# KiCad board access-controller.kicad_pcb (continued)
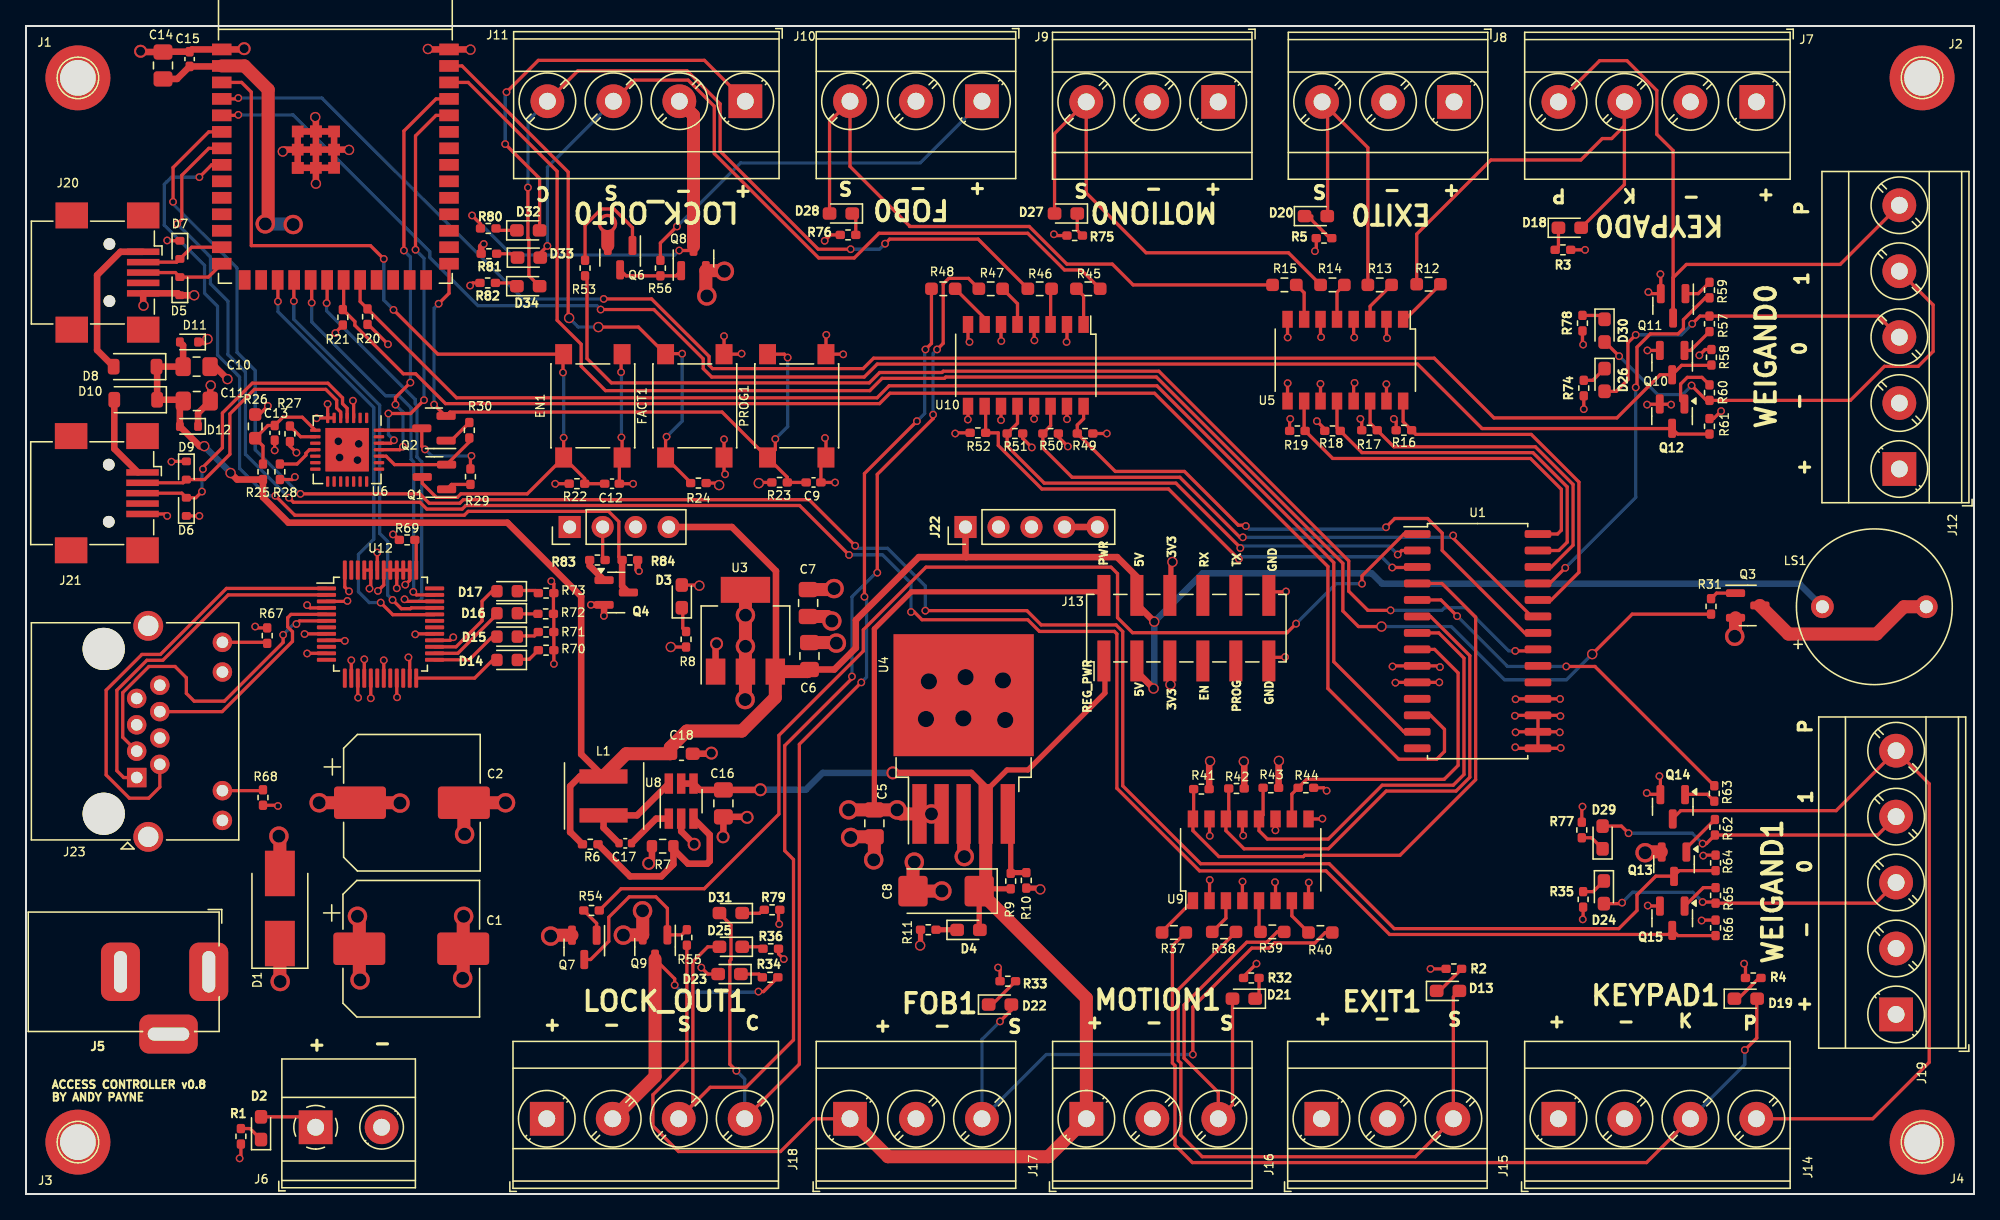
[diagram p0: board, top side]
## Footprints (pads in the part's own frame, mm; a bottom-side part is the same pattern mirrored in y, then rotated)
BarrelJack_OD5.5_ID2.5
  rrect 3x4.5 hole 1x3.2: 1(0.1,0) 2(-6.7,0)
  rrect 4.5x3 hole 3.2x1: 3(-3,-4.8)
C_0402_1005Metric
  rrect 0.56x0.62 smd: 1(-0.48,0) 2(0.48,0)
C_0402_1005Metric_Pad0.74x0.62mm_HandSolder
  rrect 0.735x0.62 smd: 1(-0.568,0) 2(0.568,0)
C_0603_1608Metric_Pad1.08x0.95mm_HandSolder
  rrect 1.075x0.95 smd: 1(-0.863,0) 2(0.863,0)
C_0805_2012Metric_Pad1.18x1.45mm_HandSolder
  rrect 1.175x1.45 smd: 1(-1.038,0) 2(1.038,0)
CP_EIA-6032-15_Kemet-U_Pad2.25x2.35mm_HandSolder
  rrect 2.25x2.35 smd: 1(-2.55,0) 2(2.55,0)
CP_Elec_10x10
  rrect 4x2.5 smd: 1(-4,0) 2(4,0)
D_SMB_Handsoldering
  rect 3.5x2.3 smd: 1(-2.7,0) 2(2.7,0)
D_SOD-123
  rrect 0.9x1.2 smd: 1(-1.65,0) 2(1.65,0)
D_SOD-523
  rrect 0.6x0.7 smd: 1(-0.7,0) 2(0.7,0)
ESP32-S3-WROOM-1
  rect 1.5x0.9 smd: 1(-8.75,8.26) 2(-8.75,6.99) 3(-8.75,5.72) 4(-8.75,4.45) 5(-8.75,3.18) 6(-8.75,1.91) 7(-8.75,0.64) 8(-8.75,-0.63) 9(-8.75,-1.9) 10(-8.75,-3.17) 11(-8.75,-4.44) 12(-8.75,-5.71) 13(-8.75,-6.98) 14(-8.75,-8.25) 27(8.75,-8.25) 28(8.75,-6.98) 29(8.75,-5.71) 30(8.75,-4.44) 31(8.75,-3.17) 32(8.75,-1.9) 33(8.75,-0.63) 34(8.75,0.64) 35(8.75,1.91) 36(8.75,3.18) 37(8.75,4.45) 38(8.75,5.72) 39(8.75,6.99) 40(8.75,8.26)
  rect 0.9x1.5 smd: 15(-6.985,-9.5) 16(-5.715,-9.5) 17(-4.445,-9.5) 18(-3.175,-9.5) 19(-1.905,-9.5) 20(-0.635,-9.5) 21(0.635,-9.5) 22(1.905,-9.5) 23(3.175,-9.5) 24(4.445,-9.5) 25(5.715,-9.5) 26(6.985,-9.5)
  rect 0.9x0.9 smd: 41(-2.9,1.94) 41(-2.9,0.54) 41(-2.9,-0.86) 41(-2.9,-0.86) 41(-1.5,1.94) 41(-1.5,1.94) 41(-1.5,0.54) 41(-1.5,-0.86) 41(-0.1,1.94) 41(-0.1,0.54) 41(-0.1,-0.86)
L_4x4
  rect 1.1x3.7 smd: 1(-1.5,-0.01) 2(1.5,0)
LED_0603_1608Metric
  rrect 0.875x0.95 smd: 1(-0.787,0) 2(0.787,0)
LED_0603_1608Metric_Pad1.05x0.95mm_HandSolder
  rrect 1.05x0.95 smd: 1(-0.875,0) 2(0.875,0)
LQFP-48_7x7mm_P0.5mm
  rrect 1.475x0.3 smd: 1(-4.162,2.75) 2(-4.162,2.25) 3(-4.162,1.75) 4(-4.162,1.25) 5(-4.162,0.75) 6(-4.162,0.25) 7(-4.162,-0.25) 8(-4.162,-0.75) 9(-4.162,-1.25) 10(-4.162,-1.75) 11(-4.162,-2.25) 12(-4.162,-2.75) 25(4.162,-2.75) 26(4.162,-2.25) 27(4.162,-1.75) 28(4.162,-1.25) 29(4.162,-0.75) 30(4.162,-0.25) 31(4.162,0.25) 32(4.162,0.75) 33(4.162,1.25) 34(4.162,1.75) 35(4.162,2.25) 36(4.162,2.75)
  rrect 0.3x1.475 smd: 13(-2.75,-4.162) 14(-2.25,-4.162) 15(-1.75,-4.162) 16(-1.25,-4.162) 17(-0.75,-4.162) 18(-0.25,-4.162) 19(0.25,-4.162) 20(0.75,-4.162) 21(1.25,-4.162) 22(1.75,-4.162) 23(2.25,-4.162) 24(2.75,-4.162) 37(2.75,4.162) 38(2.25,4.162) 39(1.75,4.162) 40(1.25,4.162) 41(0.75,4.162) 42(0.25,4.162) 43(-0.25,4.162) 44(-0.75,4.162) 45(-1.25,4.162) 46(-1.75,4.162) 47(-2.25,4.162) 48(-2.75,4.162)
Mount_Hole
  round 5 hole 2.75: 1(0,0)
PinHeader_2x06_P2.54mm_Vertical_SMD
  rect 3.15x1 smd: 1(-2.525,6.35) 2(2.525,6.35) 3(-2.525,3.81) 4(2.525,3.81) 5(-2.525,1.27) 6(2.525,1.27) 7(-2.525,-1.27) 8(2.525,-1.27) 9(-2.525,-3.81) 10(2.525,-3.81) 11(-2.525,-6.35) 12(2.525,-6.35)
QFN-28-1EP_5x5mm_P0.5mm_EP3.35x3.35mm
  rrect 0.9x0.9 smd: (-1.12,1.12) (-1.12,0) (-1.12,-1.12) (0,1.12) (0,0) (0,-1.12) (1.12,1.12) (1.12,0) (1.12,-1.12)
  rrect 0.8x0.25 smd: 1(-2.45,1.5) 2(-2.45,1) 3(-2.45,0.5) 4(-2.45,0) 5(-2.45,-0.5) 6(-2.45,-1) 7(-2.45,-1.5) 15(2.45,-1.5) 16(2.45,-1) 17(2.45,-0.5) 18(2.45,0) 19(2.45,0.5) 20(2.45,1) 21(2.45,1.5)
  rrect 0.25x0.8 smd: 8(-1.5,-2.45) 9(-1,-2.45) 10(-0.5,-2.45) 11(0,-2.45) 12(0.5,-2.45) 13(1,-2.45) 14(1.5,-2.45) 22(1.5,2.45) 23(1,2.45) 24(0.5,2.45) 25(0,2.45) 26(-0.5,2.45) 27(-1,2.45) 28(-1.5,2.45)
  rect 3.35x3.35 smd: 29(0,0)
R_0402_1005Metric_Pad0.72x0.64mm_HandSolder
  rrect 0.715x0.64 smd: 1(-0.598,0) 2(0.598,0)
R_0603_1608Metric
  rrect 0.8x0.95 smd: 1(-0.825,0) 2(0.825,0)
R_0603_1608Metric_Pad0.98x0.95mm_HandSolder
  rrect 0.975x0.95 smd: 1(-0.912,0) 2(0.912,0)
RJ45_Amphenol_RJHSE538X
  round 3.25 hole 3.25 unplated: (-2.79,2.54) (9.91,2.54)
  rect 1.5x1.5 hole 0.89: 1(0,0)
  round 1.5 hole 0.89: 2(1.016,-1.78) 3(2.032,0) 4(3.048,-1.78) 5(4.064,0) 6(5.08,-1.78) 7(6.096,0) 8(7.112,-1.78) 9(-3.3,-6.6) 10(-1.01,-6.6) 11(8.13,-6.6) 12(10.42,-6.6)
  round 2.3 hole 1.57: SH(-4.57,-0.89) SH(11.69,-0.89)
RXB6_RF_MODULE
  rect 1.7x1.7 hole 1: 1(-19.311,0.254) 5(11.169,0.254)
  oval 1.7x1.7 hole 1: 2(-16.771,0.254) 3(-14.231,0.254) 4(-11.691,0.254) 6(13.709,0.254) 7(16.249,0.254) 8(18.789,0.254) 9(21.329,0.254)
S_YXDZ
  round 1.75 hole 1: 1(0,4) 2(0,-4)
SOIC-28W_7.5x17.9mm_P1.27mm
  rrect 2.05x0.6 smd: 1(-4.65,8.255) 2(-4.65,6.985) 3(-4.65,5.715) 4(-4.65,4.445) 5(-4.65,3.175) 6(-4.65,1.905) 7(-4.65,0.635) 8(-4.65,-0.635) 9(-4.65,-1.905) 10(-4.65,-3.175) 11(-4.65,-4.445) 12(-4.65,-5.715) 13(-4.65,-6.985) 14(-4.65,-8.255) 15(4.65,-8.255) 16(4.65,-6.985) 17(4.65,-5.715) 18(4.65,-4.445) 19(4.65,-3.175) 20(4.65,-1.905) 21(4.65,-0.635) 22(4.65,0.635) 23(4.65,1.905) 24(4.65,3.175) 25(4.65,4.445) 26(4.65,5.715) 27(4.65,6.985) 28(4.65,8.255)
SOP-16_4.4x10.4mm_P1.27mm
  rect 1.3x0.8 smd: 1(-3.15,4.45) 2(-3.15,3.17) 3(-3.15,1.91) 4(-3.15,0.64) 5(-3.15,-0.64) 6(-3.15,-1.91) 7(-3.15,-3.17) 8(-3.15,-4.45) 9(3.15,-4.45) 10(3.15,-3.17) 11(3.15,-1.91) 12(3.15,-0.64) 13(3.15,0.64) 14(3.15,1.91) 15(3.15,3.17) 16(3.15,4.45)
SOT-23
  rrect 1.475x0.6 smd: 1(-0.938,0.95) 2(-0.938,-0.95) 3(0.938,0)
SOT-23-6_Handsoldering
  rect 1.56x0.65 smd: 1(-1.35,0.95) 2(-1.35,0) 3(-1.35,-0.95) 4(1.35,-0.95) 5(1.35,0) 6(1.35,0.95)
SOT-223-3_TabPin2
  rect 2x1.5 smd: 1(-3.15,2.3) 2(-3.15,0) 3(-3.15,-2.3)
  rect 2x3.8 smd: 2(3.15,0)
SW_SPST_PTS645
  rect 1.55x1.3 smd: 1(-3.98,2.25) 1(3.98,2.25) 2(-3.98,-2.25) 2(3.98,-2.25)
TerminalBlock_Phoenix_MKDS-1,5-2-5.08_1x02_P5.08mm_Horizontal
  rect 2.6x2.6 hole 1.3: 1(0,0)
  round 2.6 hole 1.3: 2(5.08,0)
TerminalBlock_Phoenix_MKDS-3-3-5.08_1x03_P5.08mm_Horizontal
  rect 2.6x2.6 hole 1.3: 1(0,0)
  round 2.6 hole 1.3: 2(5.08,0) 3(10.16,0)
TerminalBlock_Phoenix_MKDS-3-4-5.08_1x04_P5.08mm_Horizontal
  rect 2.6x2.6 hole 1.3: 1(0,0)
  round 2.6 hole 1.3: 2(5.08,0) 3(10.16,0) 4(15.24,0)
TerminalBlock_Phoenix_MKDS-3-5-5.08_1x05_P5.08mm_Horizontal
  rect 2.6x2.6 hole 1.3: 1(0,0)
  round 2.6 hole 1.3: 2(5.08,0) 3(10.16,0) 4(15.24,0) 5(20.32,0)
TO-263-5_TabPin3
  rect 4.55x5.25 smd: (0.95,2.775) (0.95,-2.775) (5.8,2.775) (5.8,-2.775)
  rect 4.6x1.1 smd: 1(-5.775,3.4) 2(-5.775,1.7) 3(-5.775,0) 4(-5.775,-1.7) 5(-5.775,-3.4)
  rect 9.4x10.8 smd: 3(3.375,0)
USB_Mini-B_Wuerth_65100516121_Horizontal
  round 0.9 hole 0.9 unplated: (-2.2,0) (2.2,0)
  rect 0.5x2.5 smd: 1(-1.6,2.6) 2(-0.8,2.6) 3(0,2.6) 4(0.8,2.6) 5(1.6,2.6)
  rect 2x2.5 smd: 6(-4.4,2.6) 6(-4.4,-2.9) 6(4.4,2.6) 6(4.4,-2.9)

## Nets
/3V3: C7.1 C14.1 C15.1 D3.2 J13.5 J13.6 R16.1 R17.1 R18.1 R19.1 R20.1 R21.2 R22.1 R23.1 R24.1 R27.1 R41.1 R42.1 R43.1 R44.1 R49.1 R50.1 R51.1 R52.1 R58.2 R61.2 R64.2 R66.2 R67.2 R69.2 R84.1 U1.9 U1.18 U3.2 U6.6 U6.7 U7.2 U12.4 U12.8 U12.11 U12.15 U12.17 U12.21 U12.28 U12.43
/5V: C6.1 C10.1 C11.1 C18.1 D8.1 D10.1 D11.2 D12.2 J13.3 J13.4 J22.4 J22.5 L1.2 LS1.1 R6.1 R25.2 U3.3
GND: C1.2 C2.2 C5.2 C6.2 C7.2 C8.2 C9.2 C10.2 C11.2 C12.2 C13.2 C14.2 C15.2 C16.2 C18.2 D1.2 D5.1 D6.1 D7.1 D9.1 D11.1 D12.1 EN1.2 FACT1.2 J1.1 J2.1 J3.1 J4.1 J5.2 J5.3 J6.2 J7.2 J8.2 J9.2 J10.2 J12.2 J13.11 J13.12 J14.2 J15.2 J16.2 J17.2 J19.2 J20.5 J21.5 J22.1 J22.6 J22.7 J23.7 J23.8 J23.9 J23.11 PROG1.2 Q3.2 Q4.2 Q6.2 Q7.2 Q8.2 Q9.2 Q10.2 Q11.2 Q12.2 Q13.2 Q14.2 Q15.2 R1.1 R2.1 R3.1 R4.1 R5.1 R7.2 R8.1 R10.2 R11.1 R26.1 R28.2 R32.1 R33.1 R35.1 R36.1 R70.2 R71.2 R72.2 R73.2 R74.1 R75.1 R76.1 R77.1 R78.1 R79.1 R81.1 R82.1 U1.10 U1.15 U1.16 U1.17 U3.1 U4.3 U5.2 U5.4 U5.6 U5.8 U5.9 U5.11 U5.13 U5.15 U6.3 U6.29 U7.1 U7.40 U7.41 U8.2 U9.2 U9.4 U9.6 U9.8 U9.9 U9.11 U9.13 U9.15 U10.2 U10.4 U10.6 U10.8 U10.9 U10.11 U10.13 U10.15 U12.3 U12.9 U12.14 U12.16 U12.19 U12.23 U12.29 U12.38 U12.39 U12.40 U12.41 U12.42 U12.44 U12.45 U12.48
/ANTENNA: J22.8 J22.9
/BUZZER: R31.1 U7.38
/CS: U7.17 U12.32
/DATA: J22.2 R83.2
/DATA_IO: Q4.3 R84.2 U7.8
/ESP_EN: J13.7
/Ethernet/RX_N: J23.6 U12.5
/Ethernet/RX_P: J23.3 U12.6
/Ethernet/TX_N: J23.2 U12.1
/Ethernet/TX_P: J23.1 U12.2
/EXIT0: D20.2 J8.3 R13.2
/EXIT0_SENSE: R17.2 U1.26 U5.14
/EXIT1: D13.2 J15.3 R38.2
/EXIT1_SENSE: R42.2 U1.6 U9.14
/FOB0: D28.2 J10.3 R15.2
/FOB0_SENSE: R19.2 U1.28 U5.10
/FOB1: D22.2 J17.3 R40.2
/FOB1_SENSE: R44.2 U1.8 U9.10
/INTA: U1.19
/INTB: U1.20
/KEYPAD0: D18.2 J7.3 R12.2
/KEYPAD0_SENSE: R16.2 U1.24 U5.16
/KEYPAD1: D19.2 J14.3 R37.2
/KEYPAD1_SENSE: R41.2 U1.4 U9.16
/LOCK0_CLOSE: D34.2 J11.4 R46.2
/LOCK0_CLOSE_IO: R50.2 U1.23 U10.14
/LOCK0_CONTROL: R53.2 U1.21
/LOCK0_OUT: J11.2 Q8.3 R80.1
/LOCK0_SENSE: R49.2 U1.22 U10.16
/LOCK0_STATE: D33.2 J11.3 R45.2
/LOCK1_CLOSE: D31.2 J18.4 R48.2
/LOCK1_CLOSE_IO: R52.2 U1.3 U10.10
/LOCK1_CONTROL: R54.2 U1.1
/LOCK1_OUT: J18.2 Q9.3 R34.1
/LOCK1_SENSE: R51.2 U1.2 U10.12
/LOCK1_STATE: D25.2 J18.3 R47.2
/Microcontroller/D+: D6.2 J21.3 U6.4
/Microcontroller/D-: D9.2 J21.2 U6.5
/Microcontroller/DTR: Q2.3 R29.1 U6.28
/Microcontroller/EN: C12.1 EN1.1 Q1.3 R22.2 U7.3
/Microcontroller/FACT: FACT1.1 R24.2 U7.39
/Microcontroller/IO3: U7.15
/Microcontroller/IO8: U7.12
/Microcontroller/IO16: U7.9
/Microcontroller/IO17: U7.10
/Microcontroller/IO18: U7.11
/Microcontroller/IO19: D7.2 J20.2 U7.13
/Microcontroller/IO20: D5.2 J20.3 U7.14
/Microcontroller/IO21: U7.23
/Microcontroller/IO35: U7.28
/Microcontroller/IO36: U7.29
/Microcontroller/IO37: U7.30
/Microcontroller/IO38: U7.31
/Microcontroller/IO39: U7.32
/Microcontroller/IO40: U7.33
/Microcontroller/IO41: U7.34
/Microcontroller/IO42: U7.35
/Microcontroller/IO43: U6.25 U7.37
/Microcontroller/IO44: U6.26 U7.36
/Microcontroller/IO45: U7.26
/Microcontroller/IO46: U7.16
/Microcontroller/IO47: U7.24
/Microcontroller/IO48: U7.25
/Microcontroller/PROG: C9.1 PROG1.1 Q2.2 R23.2 U7.27
/Microcontroller/RTS: Q1.2 R30.1 U6.24
/MISO: U7.20 U12.34
/MOSI: U7.19 U12.35
/MOTION0: D27.2 J9.3 R14.2
/MOTION0_SENSE: R18.2 U1.27 U5.12
/MOTION1: D21.2 J16.3 R39.2
/MOTION1_SENSE: R43.2 U1.7 U9.12
/POWER: C1.1 C2.1 C5.1 D1.1 D2.2 D23.2 D32.2 J5.1 J6.1 J11.1 J13.2 J18.1 J23.4 J23.5 R68.2 U4.1 U4.2
/PROG: J13.9
/PUSH0: J7.4 J12.5 Q11.3
/PUSH0_IO: R59.1 U1.25
/PUSH1: J14.4 J19.5 Q14.3
/PUSH1_IO: R63.1 U1.5
/REG_POWER: C8.1 C16.1 D4.2 J7.1 J8.1 J9.1 J10.1 J12.1 J13.1 J14.1 J15.1 J16.1 J17.1 J19.1 R9.1 R55.2 R56.2 U4.4 U8.4 U8.5
/RXD: J13.8
/SCL: R21.1 U1.12 U7.21
/SCLK: U7.18 U12.33
/SDA: R20.2 U1.13 U7.22
/TXD: J13.10
/WG0_DATA0: D26.2 J12.3 R57.2
/WG0_DATA1: D30.2 J12.4 R60.2
/WG0_DATA_SENSE0: Q10.3 R58.1 U7.4
/WG0_DATA_SENSE1: Q12.3 R61.1 U7.5
/WG1_DATA0: D24.2 J19.3 R65.2
/WG1_DATA1: D29.2 J19.4 R62.2
/WG1_DATA_SENSE0: Q13.3 R64.1 U7.6
/WG1_DATA_SENSE1: Q15.3 R66.1 U7.7
Net-(D2-K): D2.1 R1.2
Net-(D3-K): D3.1 R8.2
Net-(D4-K): D4.1 R11.2
Net-(D8-A): D8.2 J20.1
Net-(D10-A): D10.2 J21.1
Net-(D13-K): D13.1 R2.2
Net-(D14-A): D14.2 U12.24
Net-(D14-K): D14.1 R70.1
Net-(D15-A): D15.2 U12.25
Net-(D15-K): D15.1 R71.1
Net-(D16-A): D16.2 U12.26
Net-(D16-K): D16.1 R72.1
Net-(D17-A): D17.2 U12.27
Net-(D17-K): D17.1 R73.1
Net-(D18-K): D18.1 R3.2
Net-(D19-K): D19.1 R4.2
Net-(D20-K): D20.1 R5.2
Net-(D21-K): D21.1 R32.2
Net-(D22-K): D22.1 R33.2
Net-(D23-K): D23.1 R34.2
Net-(D24-K): D24.1 R35.2
Net-(D25-K): D25.1 R36.2
Net-(D26-K): D26.1 R74.2
Net-(D27-K): D27.1 R75.2
Net-(D28-K): D28.1 R76.2
Net-(D29-K): D29.1 R77.2
Net-(D30-K): D30.1 R78.2
Net-(D31-K): D31.1 R79.2
Net-(D32-K): D32.1 R80.2
Net-(D33-K): D33.1 R81.2
Net-(D34-K): D34.1 R82.2
Net-(J23-Pad10): J23.10 R68.1
Net-(J23-Pad12): J23.12 R67.1
Net-(Q1-B): Q1.1 R29.2
Net-(Q2-B): Q2.1 R30.2
Net-(Q3-B): Q3.1 R31.2
Net-(Q3-C): LS1.2 Q3.3
Net-(Q4-B): Q4.1 R83.1
Net-(Q6-B): Q6.1 R53.1
Net-(Q6-C): Q6.3 Q8.1 R56.1
Net-(Q7-B): Q7.1 R54.1
Net-(Q7-C): Q7.3 Q9.1 R55.1
Net-(Q10-B): Q10.1 R57.1
Net-(Q11-B): Q11.1 R59.2
Net-(Q12-B): Q12.1 R60.1
Net-(Q13-B): Q13.1 R62.1
Net-(Q14-B): Q14.1 R63.2
Net-(Q15-B): Q15.1 R65.1
Net-(R12-Pad1): R12.1 U5.1
Net-(R13-Pad1): R13.1 U5.3
Net-(R14-Pad1): R14.1 U5.5
Net-(R15-Pad1): R15.1 U5.7
Net-(R37-Pad1): R37.1 U9.1
Net-(R38-Pad1): R38.1 U9.3
Net-(R39-Pad1): R39.1 U9.5
Net-(R40-Pad1): R40.1 U9.7
Net-(R45-Pad1): R45.1 U10.1
Net-(R46-Pad1): R46.1 U10.3
Net-(R47-Pad1): R47.1 U10.5
Net-(R48-Pad1): R48.1 U10.7
Net-(U4-Feedback): R9.2 R10.1 U4.5
Net-(U6-VBUS): C13.1 R25.1 R26.2 U6.8
Net-(U6-~{RST}): R27.2 U6.9
Net-(U6-~{SUSPEND}): R28.1 U6.11
Net-(U8-BS): C17.1 U8.1
Net-(U8-FB): R6.2 R7.1 U8.3
Net-(U8-SW): C17.2 L1.1 U8.6
Net-(U12-~{RST}): R69.1 U12.37

Pads without a net: J20 4 6; J21 4 6; J22 3; J23 SH; U1 11 14; U6 1 2 10 12 13 14 15 16 17 18 19 20 21 22 23 27; U12 7 10 12 13 18 20 22 30 31 36 46 47

## Via types
v1: diameter 1.5, hole 1, Top to Bottom, 34 vias
v2: diameter 0.6, hole 0.4, Top to Bottom, 223 vias
v3: diameter 0.8, hole 0.6, Top to Bottom, 34 vias
v4: diameter 1, hole 0.7, Top to Bottom, 10 vias
v5: diameter 2.5, hole 1.25, Top to Bottom, 6 vias

## Routing (per net, layer and track width the routed paths; a pad name or vN(x,y) marks a point on that pad's centre or on a via; arc(x,y) is an arc through that point)
/3V3: length 89.9
  Top w0.25: v2(17.65,43.72) 17.75,43.62 R67.2 ; U12.28 32.66,42.66 v2(32.9,42.9) ; v2(28.26,50.82) 28.33,50.82 R69.2 ; v2(114.7,38.12) 114.73,38.16 U1.18 118.12,38.16 v2(118.12,38.15) ; v2(128.85,64.62) 129.3,65.07 R58.2 ; v2(80.22,57.6) 79.5,58.33 R50.1 ; R16.1 105.5,59.55 v2(105.33,59.72) ; U12.17 v2(26.55,38.2) ; v2(105.22,40.65) 105.27,40.69 U1.9 108.78,40.69 v2(108.88,40.6) ; v2(77.45,57.52) 76.75,58.23 R51.1 ; v2(129.03,21.07) 129.06,21.11 R66.2 ; 21.86,45.16 v2(21.65,45.38) ; R61.2 129.95,59.75 v2(130.53,60.32) ; v2(23.23,60.88) 23.23,60.87 U6.7 ; v2(25.58,38.25) 25.55,38.27 U12.15 ; v2(20.83,57.12) 20.33,57.62 R27.1 ; R24.1 53.22,54.78 v3(53.38,54.62) ; v2(23.83,66.34) 23.83,66.38 R21.2 ; v2(21.45,43.15) 21.46,43.16 U12.8 ; R44.1 99.93,31.3 v2(100.15,31.07) ; R23.1 56.48,54.83 v3(56.43,54.77) ; R17.1 102.85,59.62 v2(102.75,59.72) ; U12.11 21.66,41.66 v2(21.65,41.65) ; U6.7 22.4,59.8 v2(22.38,59.77) ; U6.7 U6.6 ; v2(28.58,38.27) 28.55,38.3 U12.21 ; 50.57,46.92 51.8,46.92 v3(51.85,46.88) ; 26.35,67 v2(27.88,65.47) ; R49.1 v2(83.22,58.6) ; v2(40.75,54.72) 40.76,54.73 R22.1 ; R19.1 97.3,59.67 v2(97.35,59.72) ; R52.1 71.6,58.65 v2(71.55,58.6) ; U12.43 v2(27.05,49.42) ; v2(129.15,26.07) 129.19,26.11 R64.2 ; U12.4 21.92,45.16 ; 100,58.94 v2(99.4,59.55)
  Top w0.4: 88.16,46.4 88.16,48.58 v3(88.28,48.7) ; 88.16,41.35 88.16,39.28 v3(88.12,39.25)
  Top w0.5: v3(91.18,33.35) 91.11,33.28 91.11,31.2 ; R43.1 96.45,33.35 v3(96.47,33.38) ; v2(47.2,48) 47.1,48.1 R84.1 ; C14.1 11.64,85.92 C15.1 15.04,86.88 ; R42.1 93.81,33.29 v3(93.78,33.32)
  Top w1: U7.2 16.83,86.92 18.65,85.09 18.65,74.97 v1(18.43,74.75) ; U3.2 v1(55.4,44.6) v1(55.4,42.2) U3.2 55.4,38.12 v1(55.38,38.1) ; C7.1 62.15,46.57 v1(62.22,46.65)
  Bottom w1: v1(18.43,74.75) 20.53,74.75 v1(20.58,74.7)
/5V: length 203.7
  Top w0.5: D11.2 12.1,65.4 C10.1 D8.1 ; 85.62,40.16 v3(86.83,38.95) ; 85.62,45.35 v3(86.88,44.1) ; C6.1 62.24,40.41 63.9,42.07 63.9,44.22 68.75,49.07 72.4,49.07 ; J22.4 54.36,51.39 57.75,48 57.75,40.3 U3.3 ; 10.1,63.7 D10.1 12.01,61.2 ; 11.85,60.84 D12.2 13.38,57.62 v3(13.73,57.62) ; v3(15.76,55.55) 16.26,55.05 R25.2 18.25,53.69 20.21,51.72 37.08,51.72 42.75,46.05 42.75,33.89 L1.2 42.65,32.17 41.9,31.42 41.9,27.88 41.93,27.88 R6.1 ; 85.62,47.47 84.02,49.07 72.4,49.07 ; 72.4,49.07 72.34,49.13 J22.5
  Top w1: C6.1 60.17,40.25 U3.3 57.7,38.25 55.12,35.67 50.89,35.67 49.61,34.4 C18.1 46.22,33.92 L1.2
  Bottom w0.5: v3(86.83,38.95) 86.88,39 v3(86.88,44.1) 90.6,47.82 103.62,47.82 104.43,47.02 136.55,47.02 LS1.1 ; v3(15.76,55.55) 15.76,55.59 v3(13.73,57.62)
GND: length 238.9
  Top w0.25: v2(40.45,47.22) 40.65,47.02 40.65,46.3 ; 40.65,43.3 40.65,40.85 v2(40.65,40.85) ; U1.15 118.15,34.34 v2(118.18,34.38) ; U1.15 114.75,34.34 v2(114.68,34.42) ; U1.15 U1.16 ; v2(58.35,18.1) 57.94,18.5 R36.1 ; v2(124.85,65) 124.85,65 Q10.2 ; v2(29.45,41.35) 29.55,41.25 U12.23 ; R1.1 16.55,2.85 v2(16.45,2.75) ; v2(10.88,52.25) 10.73,52.4 J21.5 ; U5.13 102.23,62.43 v2(102.3,62.5) ; v2(45.83,63.32) 45.83,64.63 ; U10.4 77.63,65.8 v2(77.65,65.77) ; U5.9 97.14,62.46 v2(97.15,62.47) ; 45.69,56.54 C12.2 46.75,54.73 v2(46.75,54.72) ; v2(93.72,27.62) 93.66,27.68 U9.13 ; 17.96,60.06 v2(18.62,60.72) ; v2(124.88,22.22) 124.9,22.2 125.84,22.2 ; v2(119.85,29.85) 119.8,29.8 R77.1 ; v2(24.55,42.62) 24.51,42.66 U12.9 ; EN1.2 45.9,58.25 v2(45.85,58.3) ; U5.11 99.68,62.42 v2(99.68,62.42) ; U1.16 U1.17 ; U1.16 114.74,35.61 v2(114.7,35.57) ; U1.16 118.06,35.61 v2(118.1,35.57) ; U1.17 118.09,36.88 v2(118.15,36.82) ; U1.17 114.69,36.88 v2(114.65,36.85) ; v2(119.9,65.45) 119.85,65.5 119.85,66.5 ; U12.3 24.71,45.66 v2(24.75,45.7) ; U12.40 U12.39 U12.38 29.55,47.29 v2(29.21,46.95) ; U12.40 U12.41 U12.42 27.55,46.92 v2(27.1,46.47) ; U12.40 v2(28.55,46.67) ; R33.1 75,17.3 v2(74.85,17.45) ; v2(61.5,73.45) 61.95,73.9 R76.1 ; v2(96.21,28.02) 96.22,28.03 U9.11 ; v2(62.93,64.7) 62.91,64.71 PROG1.2 61.6,66.17 v2(61.62,66.2) ; R5.1 99.35,72.75 v2(99.25,72.65) ; U10.11 v2(75.08,59.63) ; v2(124.93,69.5) 125.05,69.38 Q11.2 125.88,70.84 v2(125.85,70.88) ; v2(105.45,39.4) 105.47,39.42 U1.10 v2(108.83,39.42) ; U9.8 98.75,23.98 v2(98.78,24) ; R71.2 40.64,44.67 ; 95.78,41.35 96.93,41.35 v2(96.95,41.38) ; U9.6 96.22,23.98 v2(96.18,24.02) ; U9.2 91.14,24.18 v2(91.15,24.2) ; v2(58,20.8) 57.94,20.85 57.94,21.9 ; v2(24.87,46.44) 24.55,46.76 U12.48 ; v2(93.68,24.07) 93.66,24.06 U9.4 ; v2(97.15,66) 97.14,66.01 U5.8 ; v2(97.03,46.42) 97,46.4 95.78,46.4 ; U12.45 U12.44 26.55,46.75 v2(26.45,46.65) ; v2(61.53,58.25) 61.6,58.17 PROG1.2 ; v2(124.8,30.9) 124.9,30.8 125.85,30.8 125.85,32.12 v2(125.78,32.2) ; R82.1 34.4,70.2 v2(34.2,70) ; R8.1 49.65,42.15 v3(49.65,42.15) ; v2(99.83,28.92) 99.8,28.9 U9.9 ; v2(104.8,65.95) 104.76,65.99 U5.2 ; v2(91.15,27.6) 91.14,27.61 U9.15 ; U6.3 25.23,61.07 v2(25.18,61.12) ; D9.1 11.23,56.45 v2(11.2,56.42) ; U10.8 72.54,65.76 v2(72.65,65.65) ; U12.14 v2(25.05,41.12) ; v2(104.75,62.4) 104.76,62.39 U5.15 ; U10.2 80.16,65.68 v2(80.12,65.65) ; v2(62.3,54.82) 62.3,54.83 C9.2 61.21,56.36 ; U10.9 72.54,59.69 v2(72.53,59.67) ; R72.2 40.62,46.27 ; R28.2 20.5,55.05 v2(20.7,55.25) ; U12.16 v2(26.05,41.2) ; D6.1 v2(13.35,52.25) ; v2(119.87,21.16) 119.9,21.19 R35.1 ; U5.6 99.68,66.07 v2(99.72,66.02) ; v2(79.15,73.95) 79.25,73.85 R75.1 ; U10.15 v2(80.16,59.7) ; v2(102.28,66) 102.23,66.04 U5.4 ; U10.6 75.08,65.75 v2(75.1,65.72) ; v2(53.75,58.15) FACT1.2 53.75,55.54 v2(53.83,55.46) ; R2.1 v2(108.15,17.35) ; v2(29.98,43.12) 30.01,43.16 U12.29 ; D7.1 10.9,73.45 v2(10.87,73.47) ; v2(55.1,64.75) 55.06,64.71 FACT1.2 v2(53.75,66.1) ; U12.19 v2(27.55,41.12) ; R3.1 v2(120.05,72.75) ; v2(124.83,60.82) 124.86,60.86 126.64,60.86 v2(126.68,60.82) ; R74.1 v2(119.95,60.47) ; R4.1 132.4,17.64 v2(132.3,17.75) ; C13.2 v2(19.15,57.3) ; U10.13 v2(77.63,59.72) ; 93.75,16.75 v2(94.75,17.75)
  Top w0.4: v3(78.1,23.47) 78,23.57 R10.2 ; R11.1 68.88,19.18 v3(68.85,19.15)
  Top w0.5: v3(14.23,62.3) 14.19,62.26 C11.2 13.25,60.16 D12.1 ; 10.58,88.02 C15.2 12.77,88.19 U7.1 16.74,88.19 v4(16.8,88.25) ; v3(13.98,65.88) 13.75,65.65 D11.1 ; U7.41 U7.41 ; U7.41 U7.41 U7.41 ; U7.41 20.93,79.07 20.93,80.47 ; U7.41 v3(22.33,77.85) ; U7.41 U7.41 ; U7.41 20.93,80.47 ; U7.41 U7.41 ; U7.41 U7.41 U7.41 ; U7.41 24.86,80.47 v3(24.88,80.45) ; C10.2 14.55,63.75 v3(15.51,62.79) ; R7.2 48.2,25.72 v4(47.95,25.47) ; v4(55.53,29.02) 55.49,29.06 C16.2 53.7,27.55 v4(53.68,27.52) ; U3.1 53.1,42.32 v4(53.18,42.4) ; v4(8.83,88.05) 8.88,87.99 C14.2 ; 20.93,80.47 20.93,81.87 U7.41 ; 20.93,80.47 19.92,80.47 v3(19.78,80.32) ; U8.2 50.45,27.95 v4(51.45,26.95) ; U7.41 22.33,82.92 v3(22.28,82.97) ; v3(9.05,68.45) 9.03,68.47 J20.5 11.7,69.4 D5.1 v3(12.95,69.25) ; v2(35.25,73.2) 35.05,73 R81.1 ; v2(43.5,45.4) Q4.2 44.51,44.56 v2(44.5,44.55) ; v3(30.95,88.22) 30.98,88.19 U7.40 34.21,88.19 v3(34.23,88.17) ; v4(52.78,33.97) 52.72,33.92 C18.2
  Top w1: Q7.2 40.47,19.94 v1(40.4,19.88) ; v1(131.58,42.97) 131.64,43.03 Q3.2 ; v1(46,19.95) 46.02,19.97 Q9.2 47.49,21.81 v1(47.47,21.82) ; v1(72.25,26) 72.2,26.05 U4.3 ; v1(65.28,25.75) 65.33,25.8 C5.2 63.55,27.52 v1(63.5,27.47) ; 125.92,26.37 124.74,26.37 v1(124.68,26.3) ; v1(53.78,71.1) 53.73,71.15 Q8.2 52.35,69.27 v1(52.43,69.2) ; v1(62.05,44.15) 61.7,44.5 C7.2 ; Q6.2 44.8,74.75 v1(44.78,74.77) ; v1(62.4,42.45) 62.36,42.49 C6.2 ; v1(70.53,23.35) 70.52,23.34 C8.2 68.3,25.47 v1(68.4,25.57) ; v1(36.93,30.15) C2.2 33.72,27.78 v1(33.78,27.72) ; D1.2 19.55,27.5 v1(19.48,27.57) ; v1(33.62,16.62) 33.67,16.67 C1.2 33.67,21.37 v1(33.7,21.4)
  Bottom w0.25: v2(45.83,63.32) 45.85,63.3 v2(45.85,58.3)
  vias: v3(24.05,58) v3(24.15,56.75) v3(25.53,56.55) v3(25.62,57.8) v5(69.3,36.6) v5(69.53,39.5) v5(72.18,36.65) v5(72.35,39.82) v5(75.22,39.57) v5(75.4,36.52)
/ANTENNA: length 2.5
  Top w0.5: J22.8 J22.9
/BUZZER: length 129.1
  Top w0.25: v3(104.38,43.72) 102.6,43.72 101.4,44.92 101.4,48.6 87.05,62.95 70.82,62.95 70.72,62.85 65.92,62.85 64.97,61.9 44.62,61.9 42.75,63.77 42.75,65.47 40.9,67.32 40.9,78.8 34.05,85.65 U7.38 ; v3(120.6,41.6) 123.68,44.68 R31.1
  Bottom w0.25: v3(104.38,43.72) 109.75,43.72 113.85,39.62 118.62,39.62 v3(120.6,41.6)
/CS: length 34.1
  Top w0.25: v2(19.4,68.77) 19.4,70.41 ; v2(27.31,45.57) 28.25,44.64 31.44,44.64
  Bottom w0.25: v2(27.31,45.57) 26.43,45.57 25.6,46.4 25.6,49.27 26.78,50.46 26.78,60.59 19.4,67.98 v2(19.4,68.77)
/DATA: length 2.6
  Top w0.25: R83.2 44.41,49.04 J22.2
/DATA_IO: length 66.3
  Top w0.25: U7.8 14.3,79.3 v2(13.35,78.35) ; R84.2 45.65,49.1 45.65,51.81 44.86,52.6 34.05,52.6 33.75,52.3 20.7,52.3 v2(19.2,53.8)
  Top w0.5: R84.2 45.9,46.83 Q4.3
  Bottom w0.25: v2(19.2,53.8) 18.55,53.8 16.45,55.9 16.45,62.95 14.75,64.65 14.75,68.4 13.75,69.4 13.75,71.55 10.65,74.65 10.65,77.8 11.2,78.35 v2(13.35,78.35)
/Ethernet/RX_N: length 17.5
  Top w0.25: U12.5 20.41,44.66 20.15,44.4 20.15,43.7 20.52,43.32 20.52,42.58 15.11,37.17 J23.6
/Ethernet/RX_P: length 26.2
  Top w0.25: J23.3 7.45,35.2 7.45,38.63 9.47,40.65 11.48,40.65 12.35,39.77 12.35,38.57 12.95,37.97 15.28,37.97 19.8,42.5 v2(19.8,43.09) ; U12.6 21.07,44.16 v2(20.82,43.92)
  Bottom w0.25: v2(20.82,43.92) 20.63,43.92 v2(19.8,43.09)
/Ethernet/TX_N: length 33.7
  Top w0.25: U12.1 15.44,46.66 10.35,41.57 8.93,41.57 6.18,38.82 6.18,32.29 7.97,30.5 9.45,30.5 10.31,31.35 J23.2
/Ethernet/TX_P: length 27.1
  Top w0.25: J23.1 7.53,32.09 7,32.61 7,38.82 9.31,41.12 10.54,41.12 15.57,46.16 U12.2
/EXIT0: length 23.9
  Top w0.25: J8.3 103.33,80.62 R13.2 ; 100.22,75.35 100.22,83.72
/EXIT0_SENSE: length 27.4
  Top w0.25: U5.14 103.5,59.4 R17.2 105.32,57.57 116.22,57.57 119.12,54.67 119.12,49.99 117.45,48.31 U1.26
/EXIT1: length 50.5
  Top w0.25: D13.2 109.91,15.19 J15.3 106.99,2.88 90.58,2.88 88.93,4.53 88.93,10.08 88.72,10.28 88.72,15.76 R38.2
/EXIT1_SENSE: length 39.3
  Top w0.25: U1.6 108.15,44.5 111.18,41.48 111.18,32.11 110.11,31.05 104.74,31.05 100.29,26.6 93.8,26.6 92.4,28 U9.14 ; R42.2 92.61,29.11
/FOB0: length 50.7
  Top w0.25: R15.2 85.25,70.05 83.65,71.65 80.15,71.65 77.25,74.55 68.05,74.55 68.05,74.57 63.45,79.17 J10.3 61.88,82.62 D28.2
/FOB0_SENSE: length 28.9
  Top w0.25: R19.2 100.62,56.67 115.85,56.67 118.22,54.3 118.22,51.15 117.93,50.85 U1.28 ; U5.10 98.42,58.88
/FOB1: length 44.8
  Top w0.25: v2(89.85,10.75) 89.85,14.41 94.39,18.95 95.73,18.95 96.13,19.35 99.24,19.35 100.04,20.15 R40.2 ; v2(75,13.3) 75.88,14.17 D22.2
  Bottom w0.25: v2(89.85,10.75) 78.56,10.75 J17.3 73.61,11.91 v2(75,13.3)
/FOB1_SENSE: length 26.7
  Top w0.25: U1.8 108.46,41.96 110.28,40.15 110.28,33.02 109.2,31.95 98.61,31.95 R44.2 97.47,30.82 U9.10
/KEYPAD0: length 36.2
  Top w0.25: R12.2 107.09,73.96 112.8,79.67 119.72,79.67 121.38,81.32 122.1,81.32 123.08,82.3 J7.3 123.08,77.78 D18.2
/KEYPAD0_SENSE: length 28
  Top w0.25: U5.16 106.04,59.51 R16.2 107.02,58.53 115.9,58.53 119.58,54.86 119.58,47.9 117.45,45.77 U1.24
/KEYPAD1: length 69.9
  Top w0.25: J14.3 124.78,2.42 89.81,2.42 88.47,3.76 88.47,9.9 88.28,10.1 88.28,19.12 R37.2 ; 133.27,15.05 133.27,12.02 v2(132.35,11.1)
  Bottom w0.25: J14.3 132.35,9.99 v2(132.35,11.1)
/KEYPAD1_SENSE: length 46.3
  Top w0.25: R41.2 89.91,28.95 ; U1.4 109.03,47.04 111.62,44.45 111.62,31.92 105.8,26.1 98.46,26.1 98.36,26 91.86,26 89.86,28 U9.16
/LOCK0_CLOSE: length 62.9
  Top w0.25: R46.2 73.32,73.57 66.5,73.57 v2(66.15,73.22) ; J11.4 42.5,86.55 50.9,86.55 53.45,84 53.45,80.35 61,72.8 v2(63.5,72.8) ; 39.54,69.95 38.73,70.76 38.73,73.57 38.65,73.65 v2(38.65,77.55)
  Bottom w0.25: v2(63.5,72.8) 65.72,72.8 v2(66.15,73.22) ; v2(38.65,77.55) 38.65,82.7 J11.4
/LOCK0_CLOSE_IO: length 46.7
  Top w0.25: U10.14 78.9,59.2 R50.2 78.3,57.47 80.55,55.22 88.85,55.22 93.47,50.6 v2(93.7,50.6) ; 115.92,44.5 109.89,50.54 v2(109.89,50.74)
  Bottom w0.25: v2(93.7,50.6) 109.75,50.6 v2(109.89,50.74)
/LOCK0_CONTROL: length 90.9
  Top w0.25: v2(105.08,44.97) 103.33,44.97 101.85,46.45 101.85,48.78 87.23,63.4 70.64,63.4 70.54,63.3 65.74,63.3 64.94,62.5 45.08,62.5 43.2,64.38 43.2,70.6 ; v2(114.68,41.85) 116.31,41.85
  Bottom w0.25: v2(114.68,41.85) 114.18,41.85 110.85,45.17 109.22,45.17 109.03,44.97 v2(105.08,44.97)
/LOCK0_OUT: length 31.5
  Top w0.25: 35.01,74.4 35.01,74.75 v2(34.35,75.4) ; v2(50.3,72.7) 51.08,72.7 Q8.3
  Top w1: Q8.3 51.4,83.11 J11.2
  Bottom w0.25: v2(34.35,75.4) 37.4,72.35 49.95,72.35 v2(50.3,72.7)
/LOCK0_SENSE: length 45.6
  Top w0.25: v2(93.93,51.47) 93.87,51.53 93.35,51.53 89.2,55.67 83.88,55.67 R49.2 80.95,59.25 81.44,59.74 U10.16 ; v2(104.72,51.38) 105.4,52.05 107.93,52.05 109.05,50.92 109.05,49.59 115.4,43.23 U1.22
  Bottom w0.25: v2(93.93,51.47) 94.17,51.22 104.58,51.22 v2(104.72,51.38)
/LOCK0_STATE: length 62.6
  Top w0.25: R45.2 81.26,71.2 79.96,71.2 77.14,74.02 65.68,74.02 63.78,72.12 61.04,72.12 53,80.16 53,83.81 50.99,85.82 46.86,85.82 J11.3 ; 39.58,72.47 v2(40.15,73.05)
  Bottom w0.25: J11.3 40.15,79.12 v2(40.15,73.05)
/LOCK1_CLOSE: length 86.7
  Top w0.25: R48.2 69.72,65.54 v2(69.26,65.07) ; v2(64.56,46.02) 64.56,55.51 v2(68.6,59.55) ; J18.4 59.55,10.01 59.55,34.65 v2(64.32,39.42) ; 53.4,21.63 54.29,20.74 54.29,18.06 54.2,17.98 54.2,10 v2(54.7,9.5)
  Bottom w0.25: v2(64.32,39.42) 64.72,39.83 64.72,45.86 v2(64.56,46.02) ; J18.4 55.34,8.86 v2(54.7,9.5) ; v2(68.6,59.55) 69.2,60.15 69.2,65.02 v2(69.26,65.07)
/LOCK1_CLOSE_IO: length 40.2
  Top w0.25: v2(93.39,48.93) 93.37,48.93 87.97,54.32 78.22,54.32 74.87,57.68 74.87,58.65 R52.2 73.9,60.62 ; v2(105.2,48.27) 107.09,48.27
  Bottom w0.25: v2(93.39,48.93) 93.56,49.1 104.38,49.1 v2(105.2,48.27)
/LOCK1_CONTROL: length 86
  Top w0.25: U1.1 106.1,50.85 102.88,47.63 v2(102.88,47.02) ; 44.15,21.85 45.82,23.52 52.22,23.52 57.97,29.27 57.97,35.34 64.47,41.84 64.47,43.47 69.3,48.3 83.55,48.3 84.05,47.8 84.05,44.4 85.2,43.25 97.1,43.25 v2(97.8,43.95)
  Bottom w0.25: v2(102.88,47.02) 100.88,47.02 v2(97.8,43.95)
/LOCK1_OUT: length 24.9
  Top w0.25: v2(49.95,16.1) 49.95,16.58 Q9.3 ; R34.1 56.8,15.6 v2(56.4,15.6)
  Top w1: J18.2 48.44,9.06 Q9.3
  Bottom w0.25: v2(56.4,15.6) 56.35,15.55 50.5,15.55 v2(49.95,16.1)
/LOCK1_SENSE: length 38.7
  Top w0.25: U10.12 76.35,59.4 R51.2 75.55,57.63 78.41,54.77 88.54,54.77 93.5,49.81 v2(93.5,49.77) ; v2(105.62,49.27) 105.94,49.58 U1.2
  Bottom w0.25: v2(93.5,49.77) 93.65,49.92 104.97,49.92 v2(105.62,49.27)
/LOCK1_STATE: length 93.3
  Top w0.25: R47.2 72.57,70.55 71.06,70.55 70.62,70.12 70.62,65.55 v2(70.15,65.07) ; v2(63.6,39.88) 63.6,39.72 58.43,34.55 58.43,26.45 59.1,25.77 59.1,11.88 55.45,8.22 52.69,8.22 J18.3 51.35,6.89 51.35,17.9 52.5,19.05 53.43,19.05 ; v2(65.55,47.88) 65.55,55.45 69.85,59.75 v2(69.85,60.05)
  Bottom w0.25: v2(70.15,65.07) 69.85,64.77 v2(69.85,60.05) ; v2(63.6,39.88) 63.6,46.01 65.46,47.88 v2(65.55,47.88)
/Microcontroller/D+: length 24
  Top w0.25: v2(13.62,55.85) 13.62,56 15.12,57.5 15.12,60.17 17.43,62.47 23.25,62.47 24.38,61.35 24.38,60.9 24.73,60.54 U6.4 ; J21.3 12,54 D6.2 13.08,53.65 v2(13.55,54.12)
  Bottom w0.25: v2(13.55,54.12) 13.55,55.77 v2(13.62,55.85)
/Microcontroller/D-: length 21.6
  Top w0.25: U6.5 24.23,60.25 23.93,60.55 23.93,61.16 23.08,62 17.59,62 15.7,60.11 15.7,57 13.75,55.05 D9.2 12.1,54.8 J21.2
/Microcontroller/DTR: length 9.7
  Top w0.25: R29.1 34.23,56.8 v2(34.3,56.88) ; Q2.3 30.48,57.62 v2(30.73,57.38) ; U6.28 30.33,58.85
  Bottom w0.25: v2(30.73,57.38) 31.23,56.88 v2(34.3,56.88)
/Microcontroller/EN: length 69
  Top w0.25: EN1.1 31.72,64.71 v2(28.3,68.12) ; v2(41.35,63.3) 41.35,64.66 ; EN1.1 v2(41.4,58.27) ; EN1.1 38.6,53.95 33.49,53.95 33.22,53.67 31.6,53.67 30.51,54.76 Q1.3 ; EN1.1 43.02,55.13 R22.2 C12.1 ; U7.3 16.6,85.65 17.35,84.9 17.35,73.07 26.53,73.07 v2(27.55,72.05)
  Bottom w0.25: v2(27.55,72.05) 27.55,68.88 v2(28.3,68.12) ; v2(41.35,63.3) 41.4,63.25 v2(41.4,58.27)
/Microcontroller/FACT: length 44.9
  Top w0.25: U7.39 33.58,86.92 41.75,78.75 41.75,67.57 v3(41.82,67.5) ; 51.18,54.82 FACT1.1 49.25,58.27 v2(49.33,58.35) ; v3(44.08,66.8) 47.16,66.8 FACT1.1 ; v2(50.53,64.75) 49.29,64.75
  Bottom w0.25: v3(44.08,66.8) 42.52,66.8 v3(41.82,67.5) ; v2(50.53,64.75) 50.53,59.55 v2(49.33,58.35)
/Microcontroller/IO19: length 6.5
  Top w0.25: U7.13 12.75,72.95 D7.2 11.6,71.8 J20.2
/Microcontroller/IO20: length 6.6
  Top w0.25: J20.3 11.5,71 D5.2 14.05,70.65 U7.14
/Microcontroller/IO43: length 31.7
  Top w0.25: v2(29.03,57.59) 28.79,57.35 U6.25 ; v2(29.6,62.52) 28.45,61.38 v2(28.45,60.82) ; U7.37 31.58,84.38 29.1,81.91 v2(29.1,72.7)
  Bottom w0.25: v2(28.45,60.82) 29.03,60.25 v2(29.03,57.59) ; v2(29.1,72.7) 29.6,72.2 v2(29.6,62.52)
/Microcontroller/IO44: length 30.5
  Top w0.25: v2(28.33,58.08) 28.1,57.85 U6.26 ; v2(30.65,61.17) 29.62,60.14 v2(27.91,60.14) ; v2(29.99,72.76) 29.99,81.53 31.58,83.11 U7.36
  Bottom w0.25: v2(29.99,72.76) 30.65,72.11 v2(30.65,61.17) ; v2(28.33,58.08) 27.91,58.5 v2(27.91,60.14)
/Microcontroller/PROG: length 52.9
  Top w0.25: v2(31.78,68.6) 32.58,69.4 U7.27 ; C9.1 R23.2 58.62,55.22 PROG1.1 ; PROG1.1 53.6,60.25 32.65,60.25 Q2.2 ; PROG1.1 57.7,57.35 v2(57.7,58.17) ; PROG1.1 58.39,64.71 v2(58.65,64.45) ; 32.3,59.95 v2(31.43,60.82)
  Bottom w0.25: v2(57.7,58.17) 58.65,59.12 v2(58.65,64.45) ; v2(31.43,60.82) 31.43,68.25 v2(31.78,68.6)
/Microcontroller/RTS: length 8.3
  Top w0.25: R30.1 34.14,57.95 Q1.2 28.38,56.2 27.73,56.85 U6.24
/MISO: length 31.4
  Top w0.25: v2(29.15,45.82) 29.31,45.66 U12.34 ; v2(23.15,68.65) 23.19,68.69 U7.20
  Bottom w0.25: v2(29.15,45.82) 29.3,45.67 30.25,45.67 30.48,45.9 30.48,56.42 30.1,56.8 30.1,60.76 29.97,60.89 29.97,61.22 23.15,68.05 v2(23.15,68.65)
/MOSI: length 29.5
  Top w0.25: U12.35 30.06,46.16 v2(29.83,46.4) ; v2(22,68.67) 22,70.35
  Bottom w0.25: v2(22,68.67) 22,67.2 27.7,61.5 28.73,61.5 29.65,60.58 29.65,56.61 29.85,56.41 29.85,46.42 v2(29.83,46.4)
